# Altium PCB PCB for MPPT design board.PcbDoc
Units mm, origin at the board's own origin, x right, y up, seen from the top; angles counter-clockwise.
Board outline 90 x 110 mm, 2 copper layers (Top Layer, Bottom Layer), stack 1.571 mm thick; 93 components, 55 nets, 286 pads, 408 vias.
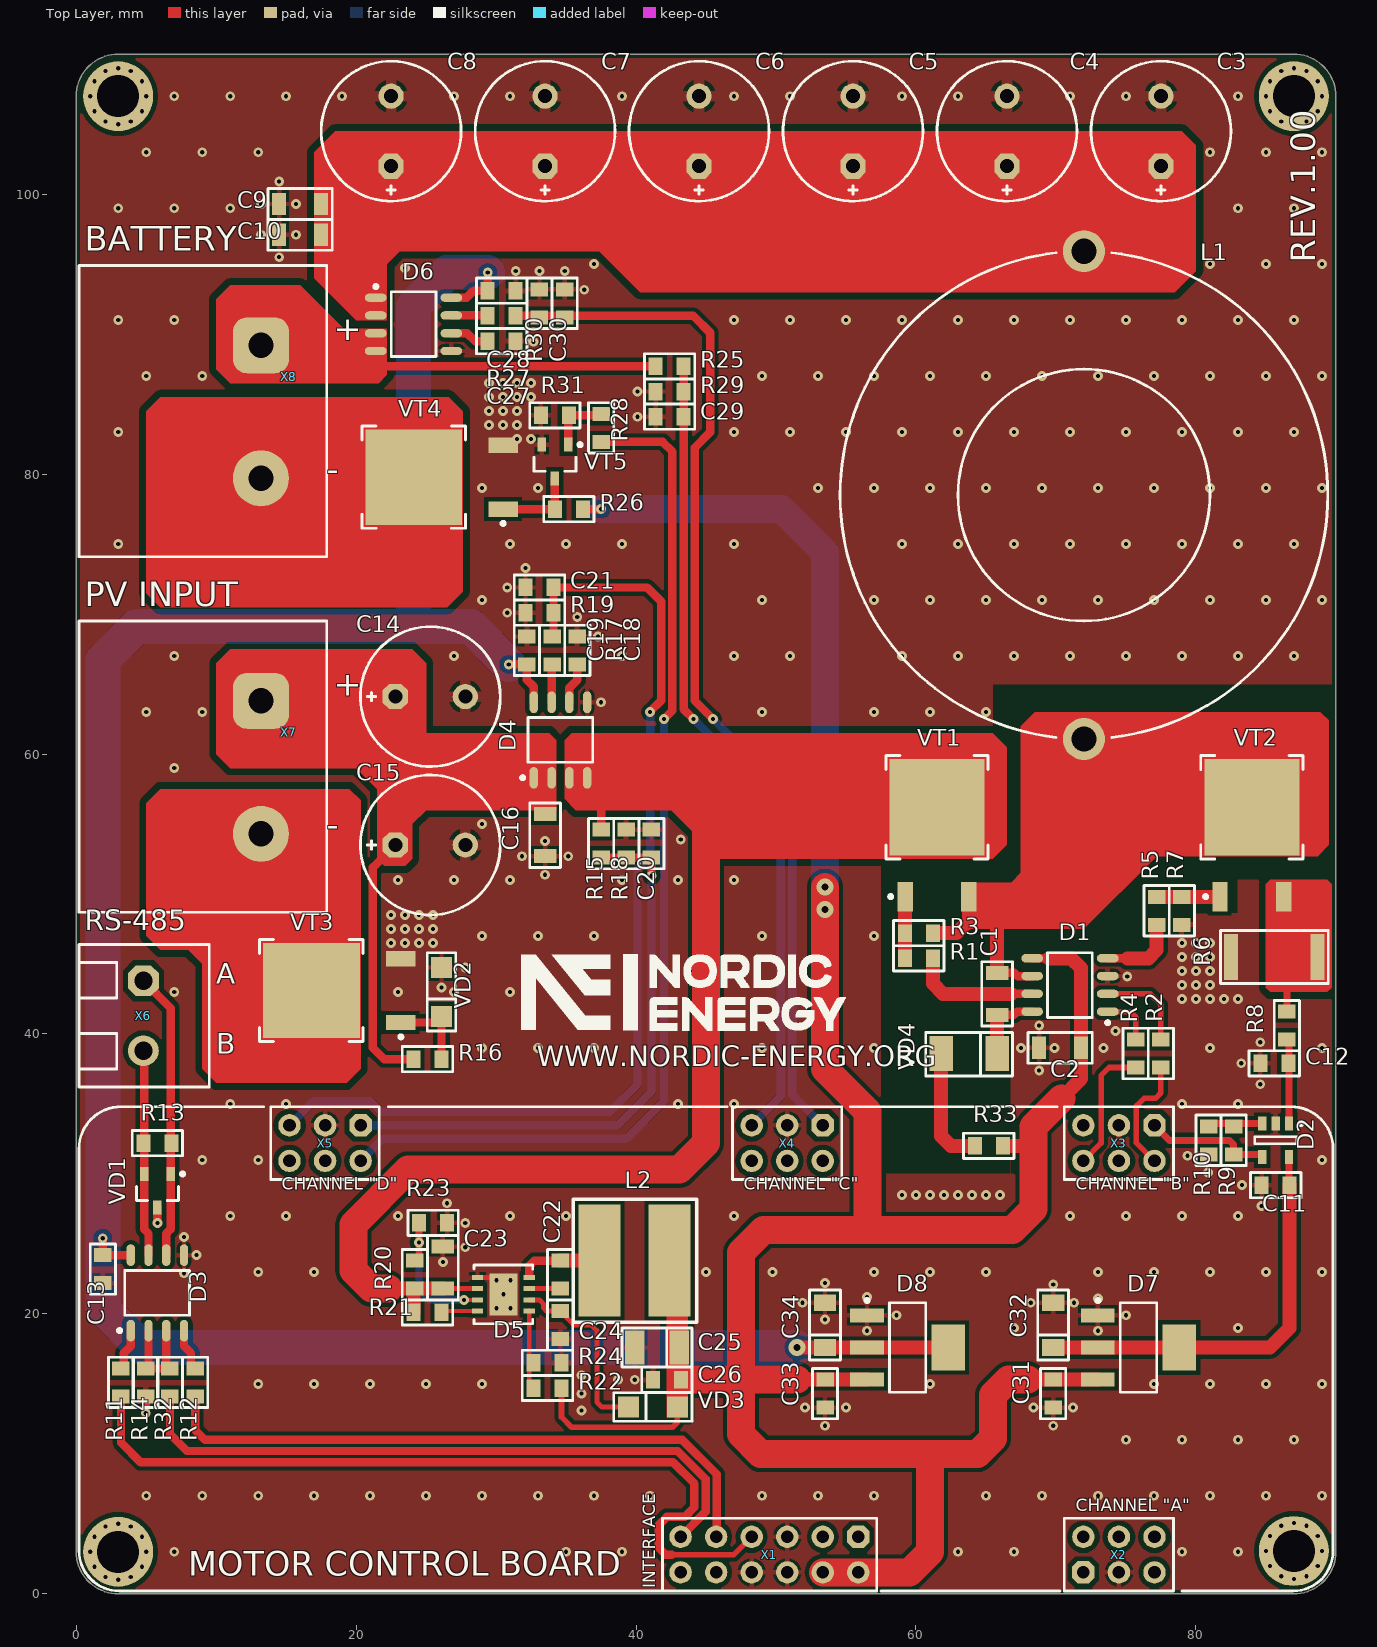
[diagram p0: Top Layer view]
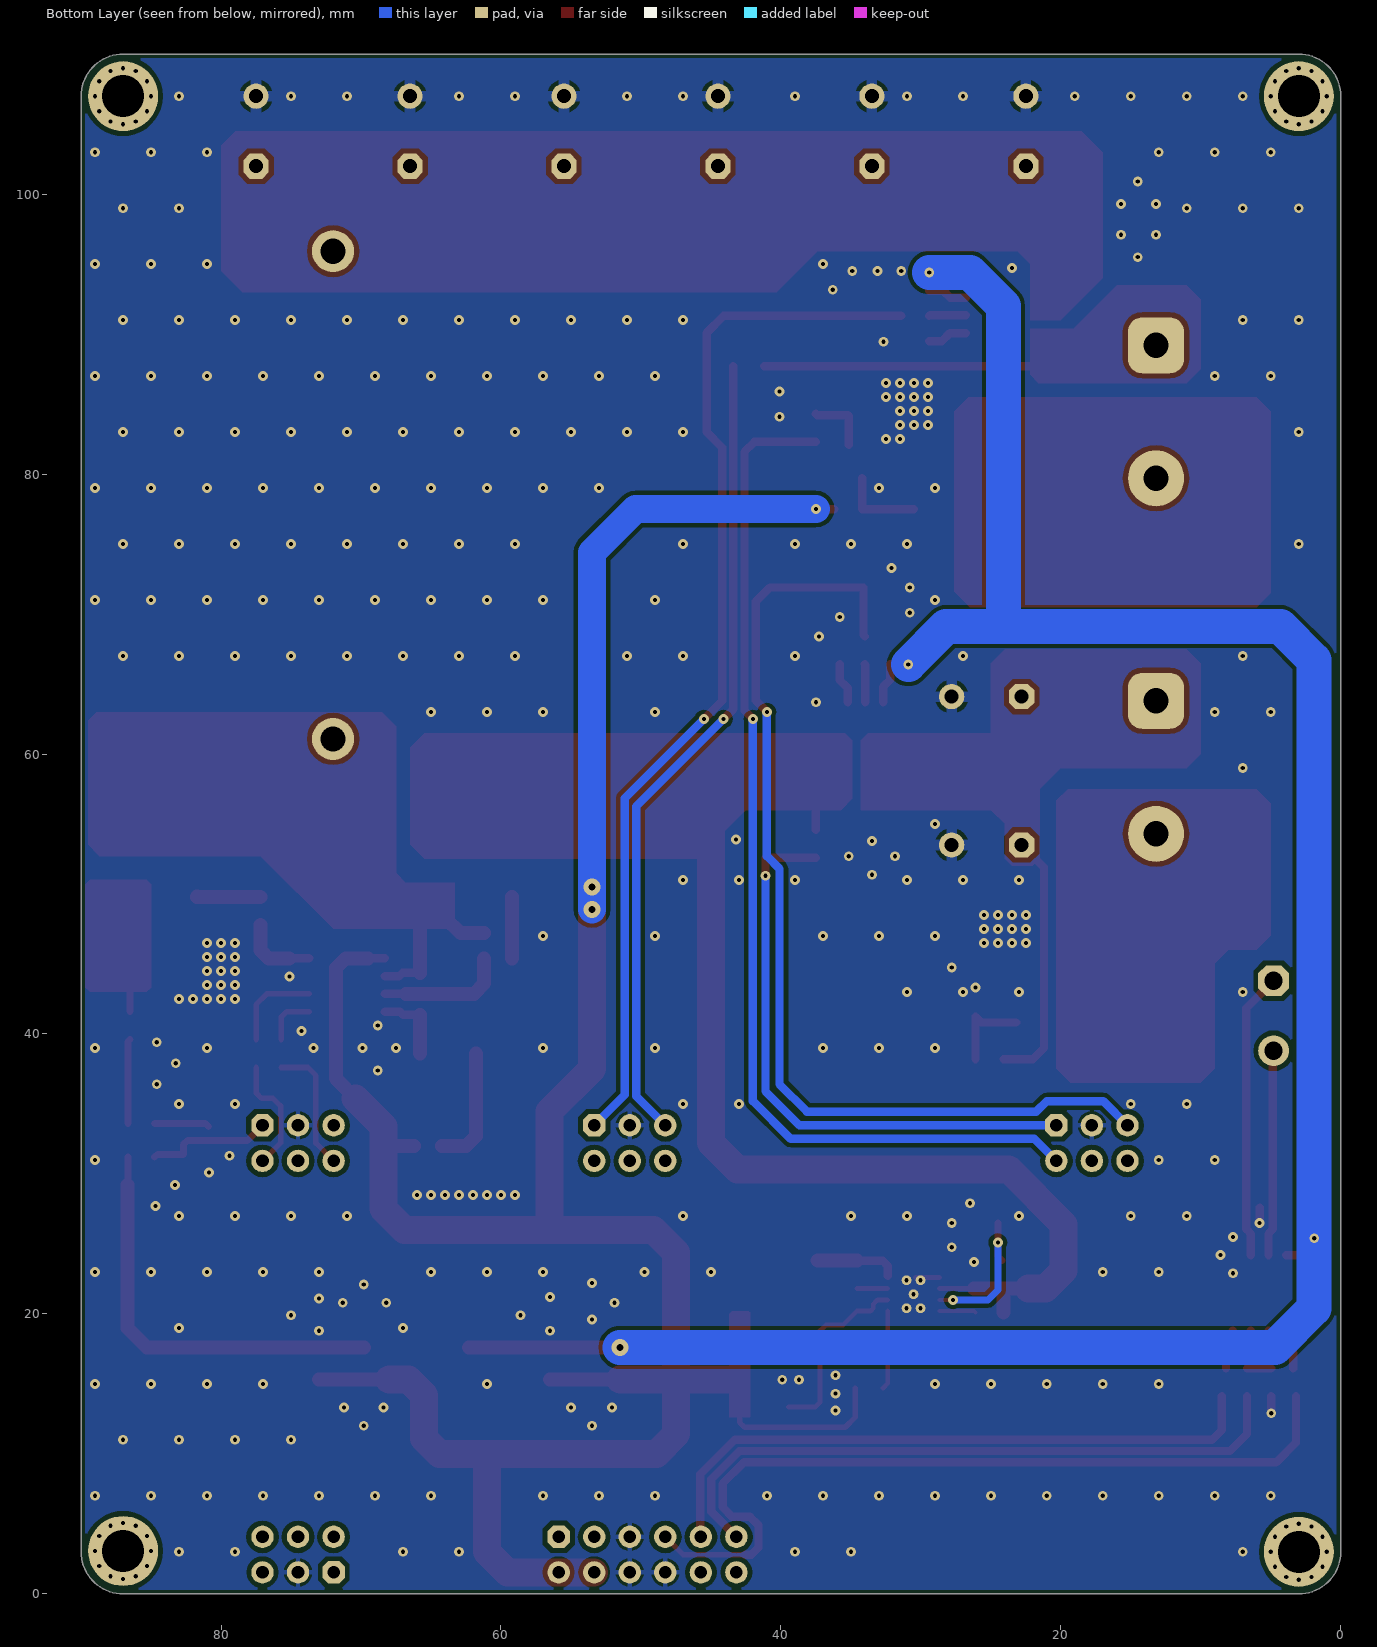
[diagram p1: Bottom Layer view, seen from below]

## Layer stack, top to bottom
Top Solder: solder mask 0.0102, Solder Resist, Dk 3.5
Top Layer: signal copper 0.0356
Dielectric 1: core 1.5, FR-4, Dk 4.2
Bottom Layer: signal copper 0.0356
Bottom Solder: solder mask 0.0102, Solder Resist, Dk 3.5

## Board outline
3,0 cw(c3,3) 0,3 0,107 cw(c3,107) 3,110 87,110 cw(c87,107) 90,107 90,3 cw(c87,3) 87,0

## Design rules (kind name [scope] priority, off if disabled: settings)
BoardOutlineClearance [All] p1: gap=0.3 ignorepadtopadclearanceinfootprint=FALSE
Clearance Clearance_NPTH [All vs InPadClass('NPTH')] p1: gap=0.4 ignorepadtopadclearanceinfootprint=FALSE except(0: Arc-Hole Track-Hole SMDPad-Hole THPad-Hole Via-Hole Fill-Hole Poly-Hole Region-Hole Text-Hole)
Clearance Clearance_MultiLayerPad [OnLayer('Multi-Layer') and IsPad] p2: gap=0.35 ignorepadtopadclearanceinfootprint=FALSE except(0: Arc-Hole Track-Hole SMDPad-Hole THPad-Hole Via-Hole Fill-Hole Poly-Hole Region-Hole Text-Hole)
Clearance Clearance_Polygon [InPolygon] p3: gap=0.3 ignorepadtopadclearanceinfootprint=FALSE except(0: Arc-Hole Track-Hole SMDPad-Hole THPad-Hole Via-Hole Fill-Hole Poly-Hole Region-Hole Text-Hole; 0.5: Poly-Region)
Clearance [All] p4: gap=0.2 ignorepadtopadclearanceinfootprint=FALSE except(0: Arc-Hole Track-Hole SMDPad-Hole THPad-Hole Via-Hole Fill-Hole Poly-Hole Region-Hole Text-Hole)
ComponentClearance [InBGA] p1: gap=0.254 collisioncheckmode=3 verticalgap=0.254 showdistances=FALSE
Height [All] p1: minheight=0 maxheight=60 prefheight=12.7
HoleSize [All] p1: absolutevalues=TRUE maxlimit=5 minlimit=0.025 maxpercent=80.000 minpercent=20.000
HoleToHoleClearance [All] p1: gap=0.2 allowstackedmicrovias=TRUE
MinimumSolderMaskSliver [All] p1: minsoldermaskwidth=0.05
PlaneClearance [All] p1: clearance=0.5
PlaneConnect [All] p1: planeconnectstyle=Relief reliefexpansion=0.5 reliefentries=4 reliefconductorwidth=0.3 reliefairgap=0.2
PolygonConnect PolygonConnect_ThermGNDpad [InPadClass('ThermPAD')] p1: connectstyle=Relief reliefconductorwidth=0.8 reliefentries=4 polygonreliefangle="90 Angle" airgapwidth=0.3
PolygonConnect PolygonConnect_PowerPAD [All vs InPadClass('PowerPAD')] p2: connectstyle=Direct reliefconductorwidth=1 reliefentries=4 polygonreliefangle="90 Angle" airgapwidth=0.3
PolygonConnect PolygonConnect_PadGND [InNet('GND') and IsPad] p3: connectstyle=Relief reliefconductorwidth=0.35 reliefentries=4 polygonreliefangle="90 Angle" airgapwidth=0.2
PolygonConnect PolygonConnect_Via [IsVia] p4: connectstyle=Direct reliefconductorwidth=0.254 reliefentries=4 polygonreliefangle="90 Angle" airgapwidth=0.254
PolygonConnect [All] p5: connectstyle=Relief reliefconductorwidth=0.6 reliefentries=4 polygonreliefangle="90 Angle" airgapwidth=0.3
RoutingVias [All] p1: holewidth=0.3 width=0.7 viastyle="Through Hole" minholewidth=0.3 minwidth=0.7 maxholewidth=0.5 maxwidth=1.2
SilkToSilkClearance [All] p1: silktosilkclearance=0
SilkToSolderMaskClearance [IsPad] p1: minsilkscreentomaskgap=0.05 clearancetoexposedcopper=TRUE
SolderMaskExpansion [All] p1: expansion=0.075
Width [All] p1: maxlimit=10 minlimit=0.15 preferedwidth=0.15
21 further rules are at their usual default settings.

## Classes and differential pairs
pad class ThermPAD: C3-2 C4-2 C5-2 C6-2 C7-2 C8-2 C14-2 C15-2
pad class PowerPAD: D5-9 R6-2 VT3-3 VT4-3
component class "Output curcuits. Page 3": C27 C28 C29 C30 C31 C32 C33 C34 D6 D7 D8 R25 R26 R27 R28 R29 R30 R31 VT4 VT5 X8
component class "Input circuits. Page 1": C14 C15 C16 C18 C19 C20 C21 C22 C23 C24 C25 C26 D4 D5 L2 R15 R16 R17 R18 R19 R20 R21 R22 R23 R24 VD2 VD3 VT3 X7
component class "Control board. Page 4": C13 D3 R11 R12 R13 R14 R32 VD1 X1 X2 X3 X4 X5 X6
component class "Buck converter. Page 2": C1 C2 C3 C4 C5 C6 C7 C8 C9 C10 C11 C12 D1 D2 L1 R1 R2 R3 R4 R5 R6 R7 R8 R9 R10 R33 VD4 VT1 VT2

## Components (designator, comment, footprint, x,y, rotation, side; value= is the part's Value field where it differs from the comment)
C1 "0.47μF" CH1206C 65.8,42.865 r270 top value=0.47?F
C2 "2.2μF" CH1206C 70.3,39 r0 top value=2.2?F
C3 "330μF" D10C5H12.5 77.5,104.5 r90 top value=330?F
C4 "330μF" D10C5H12.5 66.5,104.5 r90 top value=330?F
C5 "330μF" D10C5H12.5 55.5,104.5 r90 top value=330?F
C6 "330μF" D10C5H12.5 44.5,104.5 r90 top value=330?F
C7 "330μF" D10C5H12.5 33.5,104.5 r90 top value=330?F
C8 "330μF" D10C5H12.5 22.5,104.5 r90 top value=330?F
C9 "2.2μF" CH1206C 16,99.3 r0 top value=2.2?F
C10 "2.2μF" CH1206C 16,97.1 r0 top value=2.2?F
C11 "0.1μF" CH0805C 85.7,29.2 r0 top value=0.1?F
C12 "1nF" CH0805C 85.6,37.9 r0 top
C13 "0.1μF" CH0805C 1.9,23.2 r90 top value=0.1?F
C14 "100μF" D10C5H12.5 25.3,64.1 r0 top value=100?F
C15 "100μF" D10C5H12.5 25.3,53.5 r0 top value=100?F
C16 "1μF" CH1206C 33.5,54.2 r270 top value=1?F
C18 "1nF" CH0805C 35.8,67.4 r270 top
C19 "0.1μF" CH0805C 32.2,67.4 r270 top value=0.1?F
C20 "0.1μF" CH0805C 41.1,53.6 r270 top value=0.1?F
C21 "0.1μF" CH0805C 33.1,71.9 r0 top value=0.1?F
C22 "0.01μF" CH0805C 34.575,22.8 r270 top value=0.01?F
C23 "1μF" CH1206C 26.2,23.3 r90 top value=1?F
C24 "2.2μF" CH0805C 34.575,19.2 r90 top value=2.2?F
C25 "10μF" TANTAL_B 41.5,17.6 r180 top value=10?F
C26 "2.2μF" CH0805C 42.2,15.3 r0 top value=2.2?F
C27 "1nF" CH0805C 30.4,89.5 r180 top
C28 "0.1μF" CH0805C 30.4,93.1 r180 top value=0.1?F
C29 "0.1μF" CH0805C 42.4,84.1 r0 top value=0.1?F
C30 "0.1μF" CH0805C 34.9,92.2 r270 top value=0.1?F
C31 "1μF" CH0805C 69.8,14.3 r90 top value=1?F
C32 "100μF" TANTAL_A 69.8,19.2 r90 top value=100?F
C33 "1μF" CH0805C 53.5,14.3 r90 top value=1?F
C34 "100μF" TANTAL_A 53.5,19.2 r90 top value=100?F
D1 "NCP5183DR2G" 8-SOIC 71,43.5 r180 top
D2 "LMV321IDBVR" SOT23-5 85.7,32.4 r270 top
D3 "SN65HVD3082EDR" 8-SOIC 5.8,21.5 r90 top
D4 "ACS713ELCTR-30A" 8-SOIC 34.6,61 r90 top
D5 "LM5017SD" "8-WDFN (4x4 mm)" 30.52,21.4 r0 top
D6 "ACS713ELCTR-30A" 8-SOIC 24.1,90.7 r0 top
D7 "AZ1117IH-3.3TRG1" SOT223 75.9,17.6 r0 top
D8 "AZ1117IH-5.0TRG1" SOT223 59.4,17.6 r0 top
L1 "30μH" "IND: R32.8/20.1/10.7 (L)" 72,78.5 r270 top locked value=30?H
L2 "220μH" "IND: SDR0805" 39.9,23.8 r180 top value=220?H
R1 "2R4" CH0805R 60.2,45.4 r0 top
R2 "100R" CH0805R 77.5,38.6 r90 top
R3 "10k" CH0805R 60.2,47.2 r180 top
R4 "100R" CH0805R 75.7,38.6 r90 top
R5 "2R4" CH0805R 77.2,48.8 r270 top
R6 "0R004" CH2512R 85.6,45.5 r180 top
R7 "10k" CH0805R 79,48.8 r90 top
R8 "100R" CH0805R 86.5,40.6 r270 top
R9 "30k" CH0805R 82.7,32.4 r270 top
R10 "1k" CH0805R 80.9,32.4 r270 top
R11 "100R" CH0805R 3.2,15.1 r270 top
R12 "100R" CH0805R 8.5,15.1 r270 top
R13 "120R" CH0805R 5.8,32.2 r180 top
R14 "10k" CH0805R 4.965,15.1 r90 top
R15 "100k" CH0805R 37.5,53.6 r90 top
R16 "10k" CH0805R 25.1,38.2 r180 top
R17 "5k6" CH0805R 34,67.4 r270 top
R18 "5k6" CH0805R 39.3,53.6 r270 top
R19 "10k" CH0805R 33.1,70.1 r0 top
R20 "91k" CH0805R 24.2,22.8 r270 top
R21 "499k" CH0805R 25.1,20.1 r180 top
R22 "88k7" CH0805R 33.675,14.7 r180 top
R23 "10k" CH0805R 25.5,26.5 r180 top
R24 "10k" CH0805R 33.675,16.5 r180 top
R25 "82k" CH0805R 42.4,87.7 r180 top
R26 "10k" CH0805R 35.2,77.5 r0 top
R27 "5k6" CH0805R 30.4,91.3 r180 top
R28 "100R" CH0805R 37.5,83.3 r90 top
R29 "10k" CH0805R 42.4,85.9 r0 top
R30 "10k" CH0805R 33.1,92.2 r270 top
R31 "10k" CH0805R 34.2,84.2 r0 top
R32 "100R" CH0805R 6.7,15.1 r270 top
R33 "2R4" CH0805R 65.2,32 r0 top
VD1 "SZNUP2105LT1G" SOT23_132 5.8,28.8 r270 top
VD2 "16V" SOD80 26.1,43 r270 top
VD3 "LL4148" SOD80 41.2,13.35 r180 top
VD4 "SS210ATR" SMA 63.8,38.6 r0 top
VT1 "IPD053N08N3GATMA1" D2PAK 61.5,53 r90 top
VT2 "IPD053N08N3GATMA1" D2PAK 84,53 r90 top
VT3 "IPD053N08N3GATMA1" D2PAK 20,43.1 r180 top
VT4 "IPD053N08N3GATMA1" D2PAK 27.309,79.78 r180 top
VT5 "BC847ALT1G" SOT23_123 34.2,80.9 r270 top
X1 "*" "CON: PBD-12" 49.53,2.8 r180 top locked
X2 "\"Channel A\"" "CON: PBD-6" 74.5,2.8 r0 top locked
X3 "\"Channel B\"" "CON: PBD-6" 74.5,32.2 r180 top locked
X4 "\"Channel C\"" "CON: PBD-6" 50.8,32.2 r180 top locked
X5 "\"Channel D\"" "CON: PBD-6" 17.78,32.2 r180 top locked
X6 "\"Modbus RTU\"" "CON: 0395430002 (5 mm)" 4.8,41.3 r270 top locked
X7 "6PCV-02-006" "CON: 6PCV-02-006" 13.2,63.8 r270 top locked
X8 "6PCV-02-006" "CON: 6PCV-02-006" 13.2,89.2 r270 top locked

## Footprints (in the part's own frame and the unit in brackets; to place one, negate y for a bottom-side part, rotate by r counter-clockwise, add the part's x,y. Pads: shape width x height; smd on the part's side, far side on the other; paste and mask are expansions set on the pad)
8-SOIC [mm]
  rrect100% 1.55x0.6 smd: 1(-2.7,1.905) 2(-2.7,0.635) 3(-2.7,-0.635) 4(-2.7,-1.905) 5(2.7,-1.905) 6(2.7,-0.635) 7(2.7,0.635) 8(2.7,1.905)
  round 0.7 on Mech1: 28(-2.395,1.8)
  silkscreen extent -2.82,-2.3 1.61,2.82, body extent -3,-2.45 3,2.45, height 1.75
"8-WDFN (4x4 mm)" [mm]
  rect 0.8x0.35 smd: 1(-1.85,1.2) 2(-1.85,0.4) 3(-1.85,-0.4) 4(-1.85,-1.2) 5(1.85,-1.2) 6(1.85,-0.4) 7(1.85,0.4) 8(1.85,1.2)
  round 0.7 hole 0.3: 9(-0.5,-1) 9(-0.5,1) 9(0,0) 9(0.5,-1) 9(0.5,1)
  rect 2x3 smd: 9(0,0)
  round 0.5 on Top Overlay: ""(-2.6,2.3)
  round 0.5 on Mech1: ""(-1.6,1.6)
  silkscreen extent -2.1,-2.1 2.1,2.1, body extent -2.05,-2 2.05,2, height 0.8
CH0805C [mm] "Chip Capacitor, 2-Leads, Body 2,00x1,20mm, IPC Medium Density"
  rect 1x1.25 smd: 1(-1,0) 2(1,0)
  silkscreen extent -1.8,-0.9 1.8,0.9, body extent -1,-0.62 1,0.63, height 0.78
CH0805R [mm]
  rect 1x1.25 smd: 1(-1,0) 2(1,0)
  silkscreen extent -1.8,-0.9 1.8,0.9, body extent -1,-0.6 1,0.6, height 0.44
CH1206C [mm] "Non polar chip capacitor, size 1206"
  rect 1x1.6 smd: 1(-1.5,0) 2(1.5,0)
  silkscreen extent -2.3,-1.1 2.3,1.1, body extent -1.6,-0.8 1.6,0.8, height 1
CH2512R [mm]
  rect 1x3.3 smd: 1(-3.1,0) 2(3.1,0)
  silkscreen extent -3.85,-1.9 3.85,1.9, body extent -3.18,-1.6 3.18,1.6, height 0.52
"CON: 6PCV-02-006" [mm]
  rrect50% 4x4 hole 1.8: 1(0,0)
  round 4 hole 1.8: 2(9.5,0)
  round 0.5 on Mech1: ""(-5,4)
  round 0.5 on Top Overlay: ""(-5,4)
  silkscreen extent -5.7,-13 15.1,4.7, body extent -5.6,-13.2 15,4.58, height 15.96
"CON: 0395430002 (5 mm)" [mm] "2 pin 5.08mm screw connector"
  oct 2.2x2.2 hole 1.3: 1(-2.5,0)
  round 2.2 hole 1.3: 2(2.5,0)
  silkscreen extent -5.1,-4.6 5.1,4.7, body extent -5,-4.8 5,4.6, height 14.63
"CON: PBD-6" [mm] "PBD-6"
  oct 1.6x1.6 hole 0.9: 1(-2.54,-1.27)
  round 1.6 hole 0.9: 2(-2.54,1.27) 3(0,-1.27) 4(0,1.27) 5(2.54,-1.27) 6(2.54,1.27)
  silkscreen extent -3.9,-2.6 3.9,2.6, body extent -3.81,-2.54 3.81,2.54, height 8.5
"CON: PBD-12" [mm] "PBD-12"
  oct 1.6x1.6 hole 0.9: 1(-6.35,-1.27)
  round 1.6 hole 0.9: 2(-6.35,1.27) 3(-3.81,-1.27) 4(-3.81,1.27) 5(-1.27,-1.27) 6(-1.27,1.27) 7(1.27,-1.27) 8(1.27,1.27) 9(3.81,-1.27) 10(3.81,1.27) 11(6.35,-1.27) 12(6.35,1.27)
  silkscreen extent -7.67,-2.6 7.63,2.6, body extent -7.61,-2.54 7.61,2.54, height 8.5
D2PAK [mm] "D-PAK, 3-Pads, Body 6,2x6,7mm (max), IPC Medium Density"
  rect 2.1x1.1 smd: 1(-3.191,2.28) 3(-3.191,-2.28)
  rect 6.9x6.8 smd: 2(3.191,0)
  silkscreen extent -3.32,-3.65 6.9,3.65, body extent -4.02,-3.36 6.43,3.37, height 2.39
D10C5H12.5 [mm] "Polar capacitor, diameter 10 mm, leads clearance 5 mm, height 12.5 mm"
  oct 1.8x1.8 hole 1: 1(-2.5,0)
  round 1.8 hole 1: 2(2.5,0)
  silkscreen extent -5,-5 5,5, body extent -5.25,-5.25 5.25,5.25, height 14
"IND: R32.8/20.1/10.7 (L)" [mm]
  round 3 hole 1.8: 1(-17.427,0) 2(17.425,0)
  silkscreen extent -17.31,-17.43 17.31,17.43, body extent -17.43,-17.4 17.43,17.4, height 12.84
"IND: SDR0805" [mm]
  rect 3x8 smd: 1(-2.5,0) 2(2.5,0)
  silkscreen extent -4.45,-4.4 4.4,4.4, body extent -3.68,-3.75 3.68,3.75, height 5.08
SMA [mm]
  rect 1.7x2.5 smd: 1(-2,0) 2(2,0)
  round 0.5 on Mech1: ""(2,0.9)
  silkscreen extent -3.1,-1.6 3.1,1.5, body extent -2.5,-1.35 2.5,1.35, height 2.28
SOD80 [mm]
  rect 1.5x1.5 smd: 1(-1.75,0) 2(1.75,0)
  round 0.5 on Mech1: ""(2.3,0.6)
  silkscreen extent -2.79,-1.02 2.79,1.02, body extent -1.68,-0.78 1.68,0.76, height 1.52
SOT23-5 [mm] "SOT23, 5-Leads, Body 2,90x2,80mm, Pitch 0,95mm, IPC Medium Density"
  rect 1x0.6 smd: 1(-1.2,0.95) 2(-1.2,0) 3(-1.2,-0.95) 4(1.2,-0.95) 5(1.2,0.95)
  round 0.5 on Mech1: ""(-1.1,1.1)
  silkscreen extent -1.32,-1.5 0.25,1.93, body extent -1.5,-1.5 1.5,1.5, height 1.3
SOT23_123 [mm] "SOT23, 3-Leads, Body 3,0x2,6mm (max), Pitch 0,95mm, IPC Medium Density"
  rect 1x0.6 smd: 1(-1.2,0.95) 2(1.2,0) 3(-1.2,-0.95)
  round 0.5 on Mech1: ""(-0.9,1.1)
  silkscreen extent -1.32,-1.5 0.7,1.92, body extent -1.32,-1.52 1.32,1.52, height 1.12
SOT23_132 [mm] "SOT23, 3-Leads, Body 3,0x2,6mm (max), Pitch 0,95mm, IPC Medium Density"
  rect 1x0.6 smd: 1(-1.2,0.95) 2(-1.2,-0.95) 3(1.2,0)
  round 0.5 on Mech1: ""(-0.9,1.1)
  silkscreen extent -1.32,-1.5 0.7,1.92, body extent -1.32,-1.52 1.32,1.52, height 1.12
SOT223 [mm] "SOT223, 4-Leads, Body 6,50x7,00mm (avg), Pitch 2,30mm, IPC Medium Density"
  rect 2.4x1 smd: 1(-2.9,2.3) 2(-2.9,0) 3(-2.9,-2.3)
  rect 2.4x3.3 smd: 4(2.9,0)
  round 0.5 on Mech1: ""(-3,2.7)
  silkscreen extent -3.02,-3.2 1.3,3.47, body extent -3.48,-3.25 3.48,3.25, height 1.65
TANTAL_A [mm]
  rect 1.2x1.6 smd: 1(-1.6,0) 2(1.6,0)
  round 0.5 on Mech1: ""(-1.2,0.4)
  silkscreen extent -2.5,-1.1 2.5,1.1, body extent -1.7,-0.84 1.7,0.84, height 1.71
TANTAL_B [mm]
  rect 1.4x2.4 smd: 1(-1.6,0) 2(1.6,0)
  round 0.5 on Mech1: ""(-1.4,1)
  silkscreen extent -2.5,-1.4 2.5,1.4, body extent -1.85,-1.46 1.85,1.47, height 2.03

## Part data
C1 C2 C9 C10 C11 C12 C13 C18 C19 C20 C21 C22 C24 C26 C27 C28 C29 C30 C31 C33: library part Capacitor, Manufacturer=Yageo, ComponentKind=X7R
  C1: HelpURL=https://www.digikey.com/product-detail/en/yageo/CC1206KRX7R8BB474/311-3576-1-ND/7648503, Model=CC1206KRX7R8BB474
  C2 C9 C10: HelpURL=https://www.digikey.com/product-detail/en/yageo/CC1206KKX7R9BB225/311-1964-1-ND/5195866, Model=CC1206KKX7R9BB225
  C11 C13 C19 C20 C21 C28 C29 C30: HelpURL=https://www.digikey.com/product-detail/en/yageo/CC0805KRX7R8BB104/311-1141-1-ND/303051, Model=CC0805KRX7R8BB104
  C12 C18 C27: HelpURL=https://www.digikey.com/product-detail/en/yageo/CC0805KRX7R9BB102/311-1127-1-ND/303037, Model=CC0805KRX7R9BB102
  C22: HelpURL=https://www.digikey.com/product-detail/en/yageo/CC0805KRX7R9BB103/311-1136-1-ND/303046, Model=CC0805KRX7R9BB103
  C24: HelpURL=https://www.digikey.com/product-detail/en/yageo/CC0805KKX7R6BB225/311-1368-1-ND/2103152, Model=CC0805KKX7R6BB225
  C26: HelpURL=https://www.digikey.com/product-detail/en/yageo/CC0805KKX7R7BB225/311-1881-1-ND/5195783, Model=CC0805KKX7R7BB225
  C31 C33: HelpURL=https://www.digikey.com/product-detail/en/yageo/CC0805JKX7R7BB105/311-3497-1-ND/7164518, Model=CC0805JKX7R7BB105
C3 C4 C5 C6 C7 C8: library part AlumCap, Manufacturer=Panasonic, ComponentKind=35V, HelpURL=https://www.digikey.com/product-detail/en/panasonic-electronic-components/35SEK330M/P122629-ND/8030545, Model=35SEK330M
C14 C15: library part AlumCap, Manufacturer=Wurth, ComponentKind=63V, HelpURL=https://www.digikey.com/product-detail/en/wurth-electronics-inc/860010775014/732-8771-1-ND/5728718, Model=860010775014
C16 C23: library part Capacitor, Manufacturer=Samsung, ComponentKind=X7R, HelpURL=https://www.digikey.com/product-detail/en/samsung-electro-mechanics/CL31B105KCHSNNE/1276-2747-1-ND/3890833, Model=CL31B105KCHSNNE
C25 C32 C34: library part TantalCap, Manufacturer=AVX
  C25: ComponentKind=25V, HelpURL=https://www.digikey.com/product-detail/en/avx-corporation/TAJB106K025RNJ/478-5257-1-ND/1950924, Model=TAJB106K025RNJ
  C32 C34: ComponentKind=6.3V, HelpURL=https://www.digikey.com/product-detail/en/avx-corporation/TLJA107M006R0800/478-11096-1-ND/7536303, Model=TLJA107M006R0800
D1: "Half-bridge", Manufacturer="ON Semiconductor", ComponentKind=SO-8, HelpURL=https://www.digikey.com/product-detail/en/on-semiconductor/NCP5183DR2G/NCP5183DR2GOSCT-ND/7066807, Model=NCP5183DR2G
D2: "Amplifer", Manufacturer="Texas Instruments", ComponentKind=SOT-23-5, HelpURL=https://www.digikey.com/product-detail/en/texas-instruments/LMV321IDBVR/296-9567-1-ND/379849, Model=LMV321IDBVR
D3: "RS485", Manufacturer="Texas Instruments", ComponentKind=8-SOIC, HelpURL=https://www.digikey.com/product-detail/en/texas-instruments/SN65HVD3082EDR/296-31719-1-ND/3505195, Model=SN65HVD3082EDR
D4 D6: library part ACS713ELCTR-30A-T, "Sensor", Manufacturer="Allegro MicroSystems, LLC", ComponentKind=8-SOIC, HelpURL=https://www.digikey.com/product-detail/en/allegro-microsystems-llc/ACS713ELCTR-30A-T/620-1193-1-ND/1284610, Model=ACS713ELCTR-30A-T
D5: "Step-down", Manufacturer="Texas Instruments", ComponentKind=8-WDFN, HelpURL=https://www.digikey.com/product-detail/en/texas-instruments/LM5017SD-NOPB/LM5017SD-NOPBCT-ND/3137455, Model=LM5017SD/NOPB
D7 D8: library part LDL1117S33R, "LDO", Manufacturer="Diodes Incorporated", ComponentKind=SOT-223
  D7: HelpURL=https://www.digikey.com/product-detail/en/diodes-incorporated/AZ1117IH-3.3TRG1/AZ1117IH-3.3TRG1DIDKR-ND/5699692, Model=AZ1117IH-3.3TRG1
  D8: HelpURL=https://www.digikey.com/product-detail/en/diodes-incorporated/AZ1117IH-5.0TRG1/AZ1117IH-5.0TRG1DICT-ND/5699683, Model=AZ1117IH-5.0TRG1
L1: library part "Inductor ring", Manufacturer=Magnetics, ComponentKind=R32.8x20.1x10.7, HelpURL=http://ferrite.ru/warehouse/r-32-820-110-7-77071-a7.html, Model=0077071A7
L2: library part Inductor, Manufacturer=Bourns, ComponentKind=490mA, HelpURL=https://www.digikey.com/product-detail/en/bourns-inc/SDR0805-221KL/SDR0805-221KLCT-ND/2127164, Model=SDR0805-221KL
R1 R2 R3 R4 R5 R6 R7 R8 R9 R10 R11 R12 R13 R14 R15 R16 R17 R18 R19 R20 R21 R22 R23 R24 R25 R26 R27 R28 R29 R30 R31 R32 R33: library part Resistor, Manufacturer=Yageo
  R1 R5 R33: ComponentKind=±5%, HelpURL=https://www.digikey.com/product-detail/en/yageo/RC0805JR-072R4L/311-2.4ARCT-ND/731220, Model=RC0805JR-072R4L
  R2 R4 R8 R11 R12 R28 R32: ComponentKind=±5%, HelpURL=https://www.digikey.com/product-detail/en/yageo/RC0805JR-07100RL/311-100ARCT-ND/731185, Model=RC0805JR-07100RL
  R3 R7 R14 R16 R26 R31: ComponentKind=±5%, HelpURL=https://www.digikey.com/product-detail/en/yageo/RC0805JR-0710KL/311-10KARCT-ND/731188, Model=RC0805JR-0710KL
  R6: ComponentKind=±1%, HelpURL=https://www.digikey.com/product-detail/en/yageo/PA2512FKF7W0R004E/YAG2144CT-ND/5139592, Model=PA2512FKF7W0R004E
  R9: ComponentKind=±1%, HelpURL=https://www.digikey.com/product-detail/en/yageo/RC0805FR-0730KL/311-30.0KCRCT-ND/730790, Model=RC0805FR-0730KL
  R10: ComponentKind=±1%, HelpURL=https://www.digikey.com/product-detail/en/yageo/RC0805FR-071KL/311-1.00KCRCT-ND/730391, Model=RC0805FR-071KL
  R13: ComponentKind=±1%, HelpURL=https://www.digikey.com/product-detail/en/yageo/RC0805FR-07120RL/311-120CRCT-ND/730522, Model=RC0805FR-07120RL
  R15: ComponentKind=±1%, HelpURL=https://www.digikey.com/product-detail/en/yageo/RC0805FR-07100KL/311-100KCRCT-ND/730491, Model=RC0805FR-07100KL
  R17 R18 R27: ComponentKind=±1%, HelpURL=https://www.digikey.com/product-detail/en/yageo/RC0805FR-075K6L/311-5.60KCRCT-ND/730949, Model=RC0805FR-075K6L
  R19 R23 R24 R29 R30: ComponentKind=±1%, HelpURL=https://www.digikey.com/product-detail/en/yageo/RC0805FR-0710KL/311-10.0KCRCT-ND/730482, Model=RC0805FR-0710KL
  R20: ComponentKind=±1%, HelpURL=https://www.digikey.com/product-detail/en/yageo/RC0805FR-0791KL/311-91.0KCRCT-ND/731149, Model=RC0805FR-0791KL
  R21: ComponentKind=±1%, HelpURL=https://www.digikey.com/product-detail/en/yageo/RC0805FR-07499KL/311-499KCRCT-ND/730934, Model=RC0805FR-07499KL
  R22: ComponentKind=±1%, HelpURL=https://www.digikey.com/product-detail/en/yageo/RC0805FR-0788K7L/311-88.7KCRCT-ND/731128, Model=RC0805FR-0788K7L
  R25: ComponentKind=±1%, HelpURL=https://www.digikey.com/product-detail/en/yageo/RC0805FR-0782KL/311-82.0KCRDKR-ND/734059, Model=RC0805FR-0782KL
VD1: library part "TVS Array", Manufacturer="ON Semiconductor", ComponentKind=24V, HelpURL=https://www.digikey.com/product-detail/en/on-semiconductor/SZNUP2105LT1G/SZNUP2105LT1GOSCT-ND/3487669, Model=SZNUP2105LT1G
VD2: library part "Diod Zener", Manufacturer="Central Semiconductor", ComponentKind=16V, HelpURL=https://www.digikey.com/product-detail/en/central-semiconductor-corp/CLL5246B-TR/CLL5246BCT-ND/5324392, Model="CLL5246B TR"
VD3: library part "Diod Schottky", Manufacturer="ON Semiconductor", ComponentKind=100V, HelpURL=https://www.digikey.com/product-detail/en/on-semiconductor/LL4148/LL4148FSCT-ND/1923118, Model=LL4148
VD4: library part "Diod Schottky", Manufacturer="SMC Diode", ComponentKind="100V 2A", HelpURL=https://www.digikey.com/product-detail/en/smc-diode-solutions/SS210ATR/1655-1896-1-ND/7914879, Model=SS210ATR
VT1 VT2 VT3 VT4: library part N-chanel, "Mosfet", Manufacturer=Infineon, ComponentKind=80V, HelpURL=https://www.digikey.com/product-detail/en/infineon-technologies/IPD053N08N3GATMA1/IPD053N08N3GATMA1CT-ND/5353500, Model=IPD053N08N3GATMA1
VT5: library part NPN, "Bipolar", Manufacturer="ON Semiconductor", ComponentKind=45V, HelpURL=https://www.digikey.com/product-detail/en/on-semiconductor/BC847ALT1G/BC847ALT1GOSCT-ND/917833, Model=BC847ALT1G
X1: library part "12-Connector (2)"
X2 X3 X4 X5: library part 6(2)-Connector
X6: library part 2-Connector, Manufacturer=Molex, ComponentKind="300V 10A", HelpURL=https://www.digikey.com/products/en?keywords=0395430002, Model=0395430002
X7 X8: library part 2-Connector, Manufacturer="TE Connectivity", ComponentKind=25A, HelpURL=https://www.digikey.com/products/en?keywords=6pcv-02-006, Model=6PCV-02-006

## Free pads (board coordinates)
  round 5 hole 3: ""(3,3) ""(3,107) ""(87,3.058) ""(87,107)

## Via types
v1: diameter 0.7, hole 0.3, Top Layer to Bottom Layer, tented both sides, 405 vias
v2: diameter 1.2, hole 0.5, Top Layer to Bottom Layer, tented both sides, 3 vias

## Nets (pads, with @x,y where several pads share a name; then routed paths per layer and width w, separated by ;. In a path a pad name is that pad's centre, name@x,y a point inside that pad or via, vN(x,y) a via of type N, cw(c..) or ccw(c..) an arc to the next point about the centre after c; other vN are vias at no path point)
ADC-IIN: C21.2 R17.1 R19.2 X5.5 | length 73.6
  Top Layer w0.6: R17.1 34.1,68.5 R19.2 C21.2 40.8,71.9 41.8,70.9 41.8,63.827 41,63.027 v1(41,63)
  Bottom Layer w0.6: X5.5 16.97,35.2 21,35.2 21.756,34.444 38.144,34.444 40.1,36.4 40.1,51.8 41,52.7 v1(41,63)
ADC-IOUT: C30.2 R27.1 R30.2 X4.1 | length 75.3
  Top Layer w0.6: R27.1 44.1,91.3 45.3,90.1 45.3,83 44.2,81.9 44.2,63.8 v1(45.5,62.5)
  Bottom Layer w0.6: v1(45.5,62.5) 51.15,56.85 51.15,35.66 X4.1
ADC-PROTECT: D2.4 R9.2 X3.1 | length 9.1
  Top Layer w0.5: X3.1 78.11,32.4 82.4,32.4 82.7,32.1 R9.2 84.55,31.4 D2.4
ADC-VIN: C20.2 R15.1 R18.2 X5.1 | length 42.1
  Top Layer w0.6: R15.1 R18.2 C20.2 v1(41.1,51.3)
  Bottom Layer w0.6: X5.1 38.67,33.47 41.1,35.9 v1(41.1,51.3)
ADC-VOUT: C29.2 R25.1 R29.2 X4.5 | length 58
  Top Layer w0.6: R25.1 R29.2 C29.2 43.4,63.2 v1(44.1,62.5)
  Bottom Layer w0.6: v1(44.1,62.5) 50.35,56.25 50.35,35.56 X4.5
ENABLE: R28.1 X5.2 | length 75.5
  Top Layer w0.6: R28.1 41.9,82.3 42.6,81.6 42.6,63.1 v1(42,62.5)
  Bottom Layer w0.6: X5.2 21.89,32.5 39.3,32.5 42,35.2 v1(42,62.5)
GND: C2.1 C3.2 C4.2 C5.2 C6.2 C7.2 C8.2 C9.1 C10.1 C11.1 C12.1 C13.1 C14.2 C15.2 C16.2 C18.1 C19.1 C20.1 C21.1 C23.2 C24.1 C25.2 C26.1 C27.1 C28.1 C29.1 C30.1 C31.1 C32.2 C33.1 C34.2 D1.3 D2.2 D3.5 D4.5 D5.1 D5.9 D6.5 D7.1 D8.1 R6.2 R7.1 R10.2 R14.1 R18.1 R19.1 R23.1 R24.1 R29.1 R30.1 R31.1 VD1.3 VD2.1 VT3.3 VT4.3 VT5.3 X1.5 X1.6 X1.8 X2.3 X3.3 X4.3 X5.3 | length 4
  Top Layer w0.35: D5.1 D5.9@30.4,22.6
  Top Layer w0.6: v1(4.965,12.9) R14.1 ; v1(5.8,26.5) VD1.3
  other v1: 7,3 35,3 39,3 63,3 67,3 79,3 83,3 5,7 9,7 13,7 17,7 21,7 25,7 29,7 33,7 37,7 41,7 49,7 53,7 57,7 65,7 69,7 73,7 77,7 81,7 85,7 89,7 75,11 79,11 83,11 87,11 53.5,12 69.811,12 36.1,13.1 52.073,13.3 55,13.3 68.4,13.3 71.211,13.3 36.1,14.3 13,15 17,15 21,15 25,15 29,15 61,15 77,15 81,15 85,15 89,15 38.7,15.3 39.9,15.3 36.1,15.61 56.5,18.8 73,18.8 67,19 83,19 53.5,19.6 58.6,19.9 75,19.9 51.9,20.8 68.2,20.8 71.3,20.8 73,21.1 56.5,21.2 69.811,22.1 53.5,22.2 7.705,22.9 13,23 17,23 45,23 49.741,23 57,23 61,23 65,23 73,23 77,23 81,23 85,23 89,23 26.2,23.7 8.6,24.2 27.8,24.763 7.705,25.5 27.8,26.5 11,27 15,27 23,27 31,27 35,27 47,27 71,27 75,27 79,27 83,27 84.694,27.7 26.5,27.9 59,28.5 60,28.5 61,28.5 62,28.5 63,28.5 64,28.5 65,28.5 66,28.5 83.3,29.2 80.87,30.1 9,31 13,31 89,31 79.4,31.3 11,35 15,35 43,35 47,35 79,35 83,35 84.6,36.4 68.8,37.39 83.241,37.9 29,39 33,39 37,39 49,39 57,39 67.5,39 69.9,39 73.4,39 81,39 89,39 84.6,39.4 74.25,40.2 68.8,40.6 79,42.5 80,42.5 81,42.5 82,42.5 83,42.5 7,43 23,43 27,43 31,43 26.1,43.315 79,43.5 80,43.5 81,43.5 75.1,44.1 79,44.5 80,44.5 81,44.5 27.8,44.75 79,45.5 80,45.5 81,45.5 22.5,46.5 23.5,46.5 24.5,46.5 25.5,46.5 79,46.5 80,46.5 81,46.5 29,47 33,47 37,47 49,47 57,47 22.5,47.5 23.5,47.5 24.5,47.5 25.5,47.5 22.5,48.5 23.5,48.5 24.5,48.5 25.5,48.5 23,51 27,51 31,51 39,51 43,51 47,51 33.5,51.377 31.85,52.7 35.15,52.7 33.5,53.787 43.2,53.9 29,55 7,59 5,63 9,63 49,63 57,63 61,63 65,63 37.5,63.7 7,67 27,67 39,67 47,67 51,67 59,67 63,67 67,67 71,67 75,67 79,67 83,67 87,67 37.278,68.4 35.8,69.8 30.8,70.1 29,71 49,71 57,71 61,71 65,71 69,71 73,71 77,71 81,71 85,71 89,71 30.8,71.9 32.1,73.3 3,75 31,75 35,75 39,75 47,75 59,75 63,75 67,75 71,75 75,75 79,75 83,75 87,75 29,79 33,79 53,79 57,79 61,79 65,79 69,79 73,79 77,79 81,79 85,79 89,79 31.5,82.5 32.5,82.5 3,83 47,83 51,83 55,83 59,83 63,83 67,83 71,83 75,83 79,83 83,83 87,83 29.5,83.5 30.5,83.5 31.5,83.5 40.1,84.1 29.5,84.5 30.5,84.5 31.5,84.5 29.5,85.5 30.5,85.5 31.5,85.5 32.5,85.5 40.1,85.9 29.5,86.5 30.5,86.5 31.5,86.5 32.5,86.5 5,87 9,87 49,87 53,87 57,87 61,87 65,87 69,87 73,87 77,87 81,87 85,87 89,87 32.675,89.453 3,91 7,91 47,91 51,91 55,91 59,91 63,91 67,91 71,91 75,91 79,91 83,91 87,91 36.3,93.17 31.4,94.5 33.1,94.5 34.9,94.5 23.5,94.728 37,95 81,95 85,95 89,95 14.5,95.5 13.2,97.1 15.7,97.1 3,99 7,99 11,99 83,99 87,99 13.2,99.3 15.7,99.3 14.5,100.9 5,103 9,103 13,103 81,103 85,103 89,103 7,107 11,107 15,107 19,107 27,107 31,107 39,107 47,107 51,107 59,107 63,107 71,107 75,107 83,107
GPIO0: X1.1
GPIO1: X1.3
HRPWM-SCIN: X1.12
HRPWM-SCOUT: X1.10
NetC1_1: C1.1 D1.6 L1.2 R3.1 VT1.3 VT2.2 | length 9.8
  Top Layer w0.6: C1.1 67.035,44.365 67.265,44.135 D1.6
  Top Layer w1: R3.1 62.9,47.2 64,48.3 ; C1.1 65.8,48.2 65.9,48.3
NetC1_2: C1.2 D1.8 VD4.2 | length 5.4
  Top Layer w0.6: C1.2 67,41.365 67.23,41.595 D1.8
  Top Layer w1: VD4.2 C1.2
NetC12_2: C12.2 D2.1 R8.2 | length 6.1
  Top Layer w0.5: R8.2 86.65,39.45 D2.1
NetC14_1: C14.1 C15.1 C16.1 D4.1 D4.2 R16.2 X7.1 | length 18.4
  Top Layer w0.6: C15.1 21.2,51.9 21.2,39 22,38.2 R16.2
NetC18_2: C18.2 D4.6 | length 2.9
  Top Layer w0.6: D4.6 35.235,64.735 35.8,65.3 C18.2
NetC22_1: C22.1 D5.8 L2.2 | length 5.9
  Top Layer w0.6: D5.8@32.37,22.725 32.37,23.435 32.735,23.8 C22.1
  Top Layer w1: C22.1 L2.2
NetC22_2: C22.2 D5.7 | length 2.2
  Top Layer w0.35: D5.7 C22.2
NetC24_2: C24.2 D5.6 VD3.2 | length 13.4
  Top Layer w0.35: D5.6 33.1,21 33.4,20.7 33.4,20.4 33.6,20.2 C24.2 35.575,19.2 36.8,19.2 37.2,18.8 37.2,13.7 37.55,13.35 VD3.2
NetC27_2: C27.2 D6.6 | length 2.8
  Top Layer w0.6: D6.6 27.935,90.065 28.5,89.5 C27.2
NetD1_1: D1.1 R4.2 | length 3.8
  Top Layer w0.4: D1.1 75.305,41.595 75.7,41.2 R4.2
NetD1_2: D1.2 R2.2 | length 6.6
  Top Layer w0.4: D1.2 76.735,42.865 77.5,42.1 R2.2
NetD1_4: D1.4 R5.2 | length 5.5
  Top Layer w0.6: D1.4 75.1,45.405
  Top Layer w1: 75.1,45.405 76.605,45.405 77.2,46 R5.2
NetD1_7: D1.7 R1.2 | length 9.2
  Top Layer w0.6: 66.8,42.865 D1.7
  Top Layer w1: R1.2 61.2,43.6 61.935,42.865 66.8,42.865
NetD2_3: D2.3 R9.1 R10.1 | length 3.9
  Top Layer w0.5: R10.1 81.1,33.6 D2.3
NetD3_1: D3.1 R11.1 | length 2.9
  Top Layer w0.6: R11.1@3.4,16.1 3.4,17.2 3.895,17.695 D3.1
NetD3_2: D3.2 D3.3 R14.2 R32.1 | length 7.2
  Top Layer w0.6: R14.2 R14.2@5.165,16.1 ; D3.2 R14.2@5.165,16.1 ; D3.3 6.435,16.365 R32.1 R14.2@5.165,16.1
NetD3_4: D3.4 R12.1 | length 2.9
  Top Layer w0.6: D3.4 7.705,17.695 8.2,17.2 R12.1@8.2,16.1
NetD4_7: D4.7 R17.2 | length 2.7
  Top Layer w0.6: D4.7 33.965,66.365 R17.2
NetD5_3: D5.3 R20.1 R23.2 | length 10.7
  Top Layer w0.3: v1(27.7,21) D5.3
  Top Layer w0.5: R20.1 24.5,24.1 v1(24.5,25.1) R23.2
  Bottom Layer w0.5: v1(24.5,25.1) 24.5,21.7 25.2,21 v1(27.7,21)
NetD5_4: D5.4 R21.1 | length 2.6
  Top Layer w0.3: R21.1 26.2,20.2 D5.4
NetD5_5: D5.5 R22.2 R24.2 | length 5.6
  Top Layer w0.35: D5.5 32.37,15.03 R22.2@32.7,14.7
NetD6_3: D6.3 D6.4 R25.2 X8.1 | length 21.4
  Top Layer w0.6: 19.8,87.7 R25.2@41.2,87.7
NetD6_7: D6.7 R27.2 | length 2.6
  Top Layer w0.6: D6.7 29.365,91.335 R27.2
NetR1_1: R1.1 R3.2 VT1.1 | length 4.4
  Top Layer w0.6: VT1.1@59.2,49.789 VT1.1
  Top Layer w1: R1.1 R3.2 VT1.1@59.2,49.789
NetR5_1: R5.1 R7.2 VT2.1 | length 4.5
  Top Layer w1: R5.1 R7.2 81.711,49.8 VT2.1
NetR6_1: R6.1 R8.1 VT2.3 | length 2.2
  Top Layer w0.5: R8.1 86.5,43.8
NetR16_1: R16.1 VD2.2 VT3.1 | length 6.1
  Top Layer w0.6: VT3.1 25.67,40.82 VD2.2 R16.1
NetR26_1: R26.1 VT4.1 VT5.2 | length 5.9
  Top Layer w0.6: VT4.1 R26.1 VT5.2
NetR28_2: R28.2 R31.2 VT5.1 | length 4.5
  Top Layer w0.6: VT5.1 35.15,84.15 R31.2 37.4,84.2 R28.2
NetR33_1: R33.1 VD4.1 | length 8.6
  Top Layer w1: VD4.1 61.8,32.7 62.5,32 R33.1
NetVT3_2: VT3.2 X7.2
NetVT4_2: VT4.2 X8.2
PWM-CH1: R2.1 X3.2 | length 8.4
  Top Layer w0.4: X3.2 75.75,32.22 75.75,34.85 76.3,35.4 77.1,35.4 77.5,35.8 R2.1
PWM-CH2: R4.1 X3.6 | length 9.3
  Top Layer w0.4: X3.6 73.23,32.2 73.23,37.03 73.8,37.6 R4.1
RS485-A: D3.6 R13.1 VD1.1 X6.1 | length 20.5
  Top Layer w0.6: X6.1 6.75,41.85 VD1.1 6.75,26.05 6.435,25.735 D3.6
RS485-B: D3.7 R13.2 VD1.2 X6.2 | length 14.8
  Top Layer w0.6: X6.2 4.85,38.75 VD1.2 4.85,26.05 5.165,25.735 D3.7
RS485-DIR: R32.2 X1.11 | length 47.2
  Top Layer w0.6: R32.2 6.7,11.405 7.905,10.2 42.971,10.2 44.97,8.201 44.97,5.86 X1.11
UART1-RX: R11.2 X1.7 | length 59.3
  Top Layer w0.4: 42.541,2.8 46.99,2.8 X1.7
  Top Layer w0.6: R11.2 3.2,10.8 4.6,9.4 42.639,9.4 44.17,7.869 44.17,6.191 43.479,5.5 42.2,5.5 41.6,4.9 41.6,3.3 42.1,2.8 42.541,2.8
UART1-TX: R12.2 X1.9 | length 45.5
  Top Layer w0.6: R12.2 8.5,11.7 9.2,11 43.302,11 45.77,8.532 45.77,4.12 X1.9
VCC3V3: C11.2 C32.1 D2.5 D7.2 D7.4 | length 29.7
  Top Layer w0.5: D2.5 86.65,29.25 C11.2
  Top Layer w1: C32.1 D7.2 D7.4 85.3,17.6 86.7,19 C11.2
VCC5V: C13.2 C19.2 C28.2 C34.1 D3.8 D4.8 D6.8 D8.2 D8.4 | length 179.7
  Top Layer w0.6: v1(1.9,25.4) C13.2 D3.8 ; D6.8 27.905,92.605 28.4,93.1 C28.2 v1(29.4,94.4) ; v1(30.9,66.4) C19.2 32.2,65.3 32.695,64.805 D4.8
  Top Layer w1: v2(51.5,17.6) C34.1 D8.2 D8.4
  Bottom Layer w2.5: v1(29.4,94.4) 26.5,94.4 24.1,92 24.1,69.1 ; v1(30.9,66.4) 28.2,69.1 24.1,69.1 ; v2(51.5,17.6) 4.7,17.6 1.9,20.4 v1(1.9,25.4) 1.9,66.7 4.3,69.1 24.1,69.1
VCC12V: C2.2 C25.1 C26.2 C31.2 C33.2 D1.5 D7.3 D8.3 L2.1 R22.1 R26.2 R33.2 VD3.1 X1.2 X1.4 | length 200.2
  Top Layer w0.4: R22.1 34.675,12.625 35.4,11.9 42.6,11.9 42.95,12.25 VD3.1
  Top Layer w0.6: R26.2 v1(37.5,77.5) ; D1.5 69.5,45.405
  Top Layer w1: 51.5,15.3 C33.2 D8.3 ; R33.2 68.4,32 ; 68,15.3 C31.2 D7.3 ; 69.5,45.405 71.095,45.405 71.8,44.7 C2.2 71.8,36.8 70.4,35.4
  Top Layer w2: C26.2 47.5,15.3 ; 51.5,15.3 47.5,15.3 ; X1.4 X1.2 59.53,1.53 61,3 61,10 ; v2(53.5,50.5) v2(53.5,48.9) 53.5,37.5 56.55,34.45 56.55,26 ; 68,15.3 66.6,15.3 65.5,14.2 65.5,11.1 64.4,10 61,10 ; 70.4,35.4 68.4,33.4 68.4,32 68.4,27.5 66.9,26 56.55,26 ; 47.5,15.3 47.5,24.4 49.1,26 56.55,26 ; 47.5,15.3 47.5,11.4 48.9,10 61,10
  Bottom Layer w2: v1(37.5,77.5) 50.4,77.5 53.5,74.4 v2(53.5,50.5) v2(53.5,48.9)
VIN: C23.1 D4.3 D4.4 D5.2 R15.2 R20.2 R21.2 VT1.2 | length 67.7
  Top Layer w0.35: C23.1 D5.2
  Top Layer w0.6: R15.2 37.5,57
  Top Layer w1: 22.3,21.8 R20.2 ; R21.2 24.1,21.7 R20.2 ; C23.1 R20.2
  Top Layer w2: 22.3,21.8 21.1,21.8 19.8,23.1 19.8,26.4 23.7,30.3 43.1,30.3 45,32.2 45,55.4
VOUT: C3.1 C4.1 C5.1 C6.1 C7.1 C8.1 C9.2 C10.2 D6.1 D6.2 L1.1
pads on no net: C25. C32. C34. D1.28 D2. D3.28 D4.28 D5. D6.28 D7. D8. VD1. VD2. VD3. VD4. VT5. X2.1 X2.2 X2.4 X2.5 X2.6 X3.4 X3.5 X4.2 X4.4 X4.6 X5.4 X5.6 X7. X8.
copper on no net:
  other v1: 3,1 87,1.058 2.1,1.2 3.9,1.2 86.1,1.258 87.9,1.258 1.3,1.93 4.7,1.93 85.3,1.988 88.7,1.988 1,3 5,3 85,3.058 89,3.058 1.3,4.07 4.7,4.07 85.3,4.128 88.7,4.128 2.1,4.8 3.9,4.8 86.1,4.858 87.9,4.858 3,5 87,5.058 3,105 87,105 2.1,105.2 3.9,105.2 86.1,105.2 87.9,105.2 1.3,105.93 4.7,105.93 85.3,105.93 88.7,105.93 1,107 5,107 85,107 89,107 1.3,108.07 4.7,108.07 85.3,108.07 88.7,108.07 2.1,108.8 3.9,108.8 86.1,108.8 87.9,108.8 3,109 87,109

## Polygon pours and split planes (outlines as drawn)
GND on Top Layer "Top Layer-GND" (solid, pour order 2): 0,0 0,110 90,110 90,0
GND on Bottom Layer "Bottom Layer-No Net" (solid, pour order 0): 0,0 0,110 90,110 90,0

## Other copper
Top Layer:
  pour cut-out: 66.783,30 68,30 68,34 66.797,34
  pour cut-out: 70.804,40.989 66.783,40.989 66.783,30 57.5,30 57.5,52.394 65.5,52.394 65.5,65 90,65 90,51 83,51 83,48.607 78.11,48.6 76.7,47.19 76.7,45.103 75.137,45.103 72.499,45.103 72.499,41.32 72.499,40.989
  region net VCC12V: 43.7,12.6 43.7,20 43.5,20.2 42.3,20.2 42.2,20.1 42.2,12.6
  region: 32.775,22.425
  region net NetC1_1: 63.3,50.8 66.8,50.8 67.5,51.5 67.5,62 68.5,63 88.9,63 89.5,62.4 89.5,53.5 88.7,52.7 77.2,52.7 72,47.5 63.9,47.5 63.3,48.1
  region net VIN: 39.5,56 42.5,56 46,52.5 65.5,52.5 66.5,53.5 66.5,60.5 65.5,61.5 39,61.5
  region net NetR6_1: 89.4,43 89.7,43.3 89.7,50.7 89.4,51 85.3,51 85,50.7 85,43.3 85.3,43
  region net VOUT: 20,91 17,94 17,103 18.5,104.5 79,104.5 80,103.5 80,94.5 78.5,93 40.3,93 37.373,95.927 23.127,95.927 22.2,95 22.2,91
  region net NetD6_3: 19.1,90.4 16,93.5 11,93.5 10,92.5 10,87.5 11,86.5 21.6,86.5 22.2,87.1 22.2,90.4
  region net NetVT3_2: 20.32,56.68 19.5,57.5 6,57.5 5,56.5 5,47 6,46 8,46 9,45 9,37.5 10,36.5 19.32,36.5 20.32,37.5
  region net NetVT4_2: 27.6,71.6 26.5,70.5 6,70.5 5,71.5 5,84.5 6,85.5 26.6,85.5 27.6,84.5
  region net VIN: 34.9,56.8 35.7,56 40,56 40,61.5 35.4,61.5 34.9,61
  region net NetC14_1: 25,56 34.3,56 34.3,61 33.8,61.5 24.78,61.5
  region net NetC14_1: 11,67.5 10,66.5 10,60 11,59 20,59 21.5,57.5 21.5,52.5 22,52 23.5,52 24,52.5 24,55 25,56 25,66.5 24,67.5

## Silkscreen, mask and mechanical layers (free items; w line width, h text height)
Top Overlay:
  drawing of 1679 lines, arcs and shapes, not listed
  text "BATTERY" at 0.6,95.4 h3
  text "REV.1.00" at 89.1,95.1 h3 r90
  text "+" at 18.415,89 h3
  text "-" at 17.9,78.9 h3
  text "PV INPUT" at 0.6,70 h3
  text "+" at 18.415,63.6 h3
  text "-" at 17.9,53.5 h3
  text "RS-485" at 0.6,46.9 h2.5
  text "A" at 10,43.1 h2.5
  text "B" at 10,38.1 h2.5
  text "WWW.NORDIC-ENERGY.ORG" at 32.9,37.2 h2.5
  text "CHANNEL \"D\"" at 14.7,28.6 h1.5
  text "CHANNEL \"C\"" at 47.7,28.6 h1.5
  text "CHANNEL \"B\"" at 71.4,28.6 h1.5
  text "CHANNEL \"A\"" at 71.4,5.6 h1.5
  text "MOTOR CONTROL BOARD" at 8,0.7 h3
  text "INTERFACE" at 41.65,0.4 h1.5 r90
Border:
  the board outline again, w0.2

## Dimensions
0,0 to 0,110 on Size
0,110 to 90,110 on Size

## Text inside footprints (layer, text, board x,y; h text height)
X7: Top Assy "2" at 9.6,54.6 h2 r270; Top Assy "1" at 9.6,64 h2 r270
X8: Top Assy "2" at 9.6,80 h2 r270; Top Assy "1" at 9.6,89.4 h2 r270